# Altium PCB 运动控制板.PcbDoc (part 2 of 3)
Units mil, origin at the board's own origin, x right, y up, seen from the top; angles counter-clockwise.
Board outline 4921.26 x 3543.31 mil, 2 copper layers (Top Layer, Bottom Layer); 234 components, 177 nets, 792 pads, 437 vias.
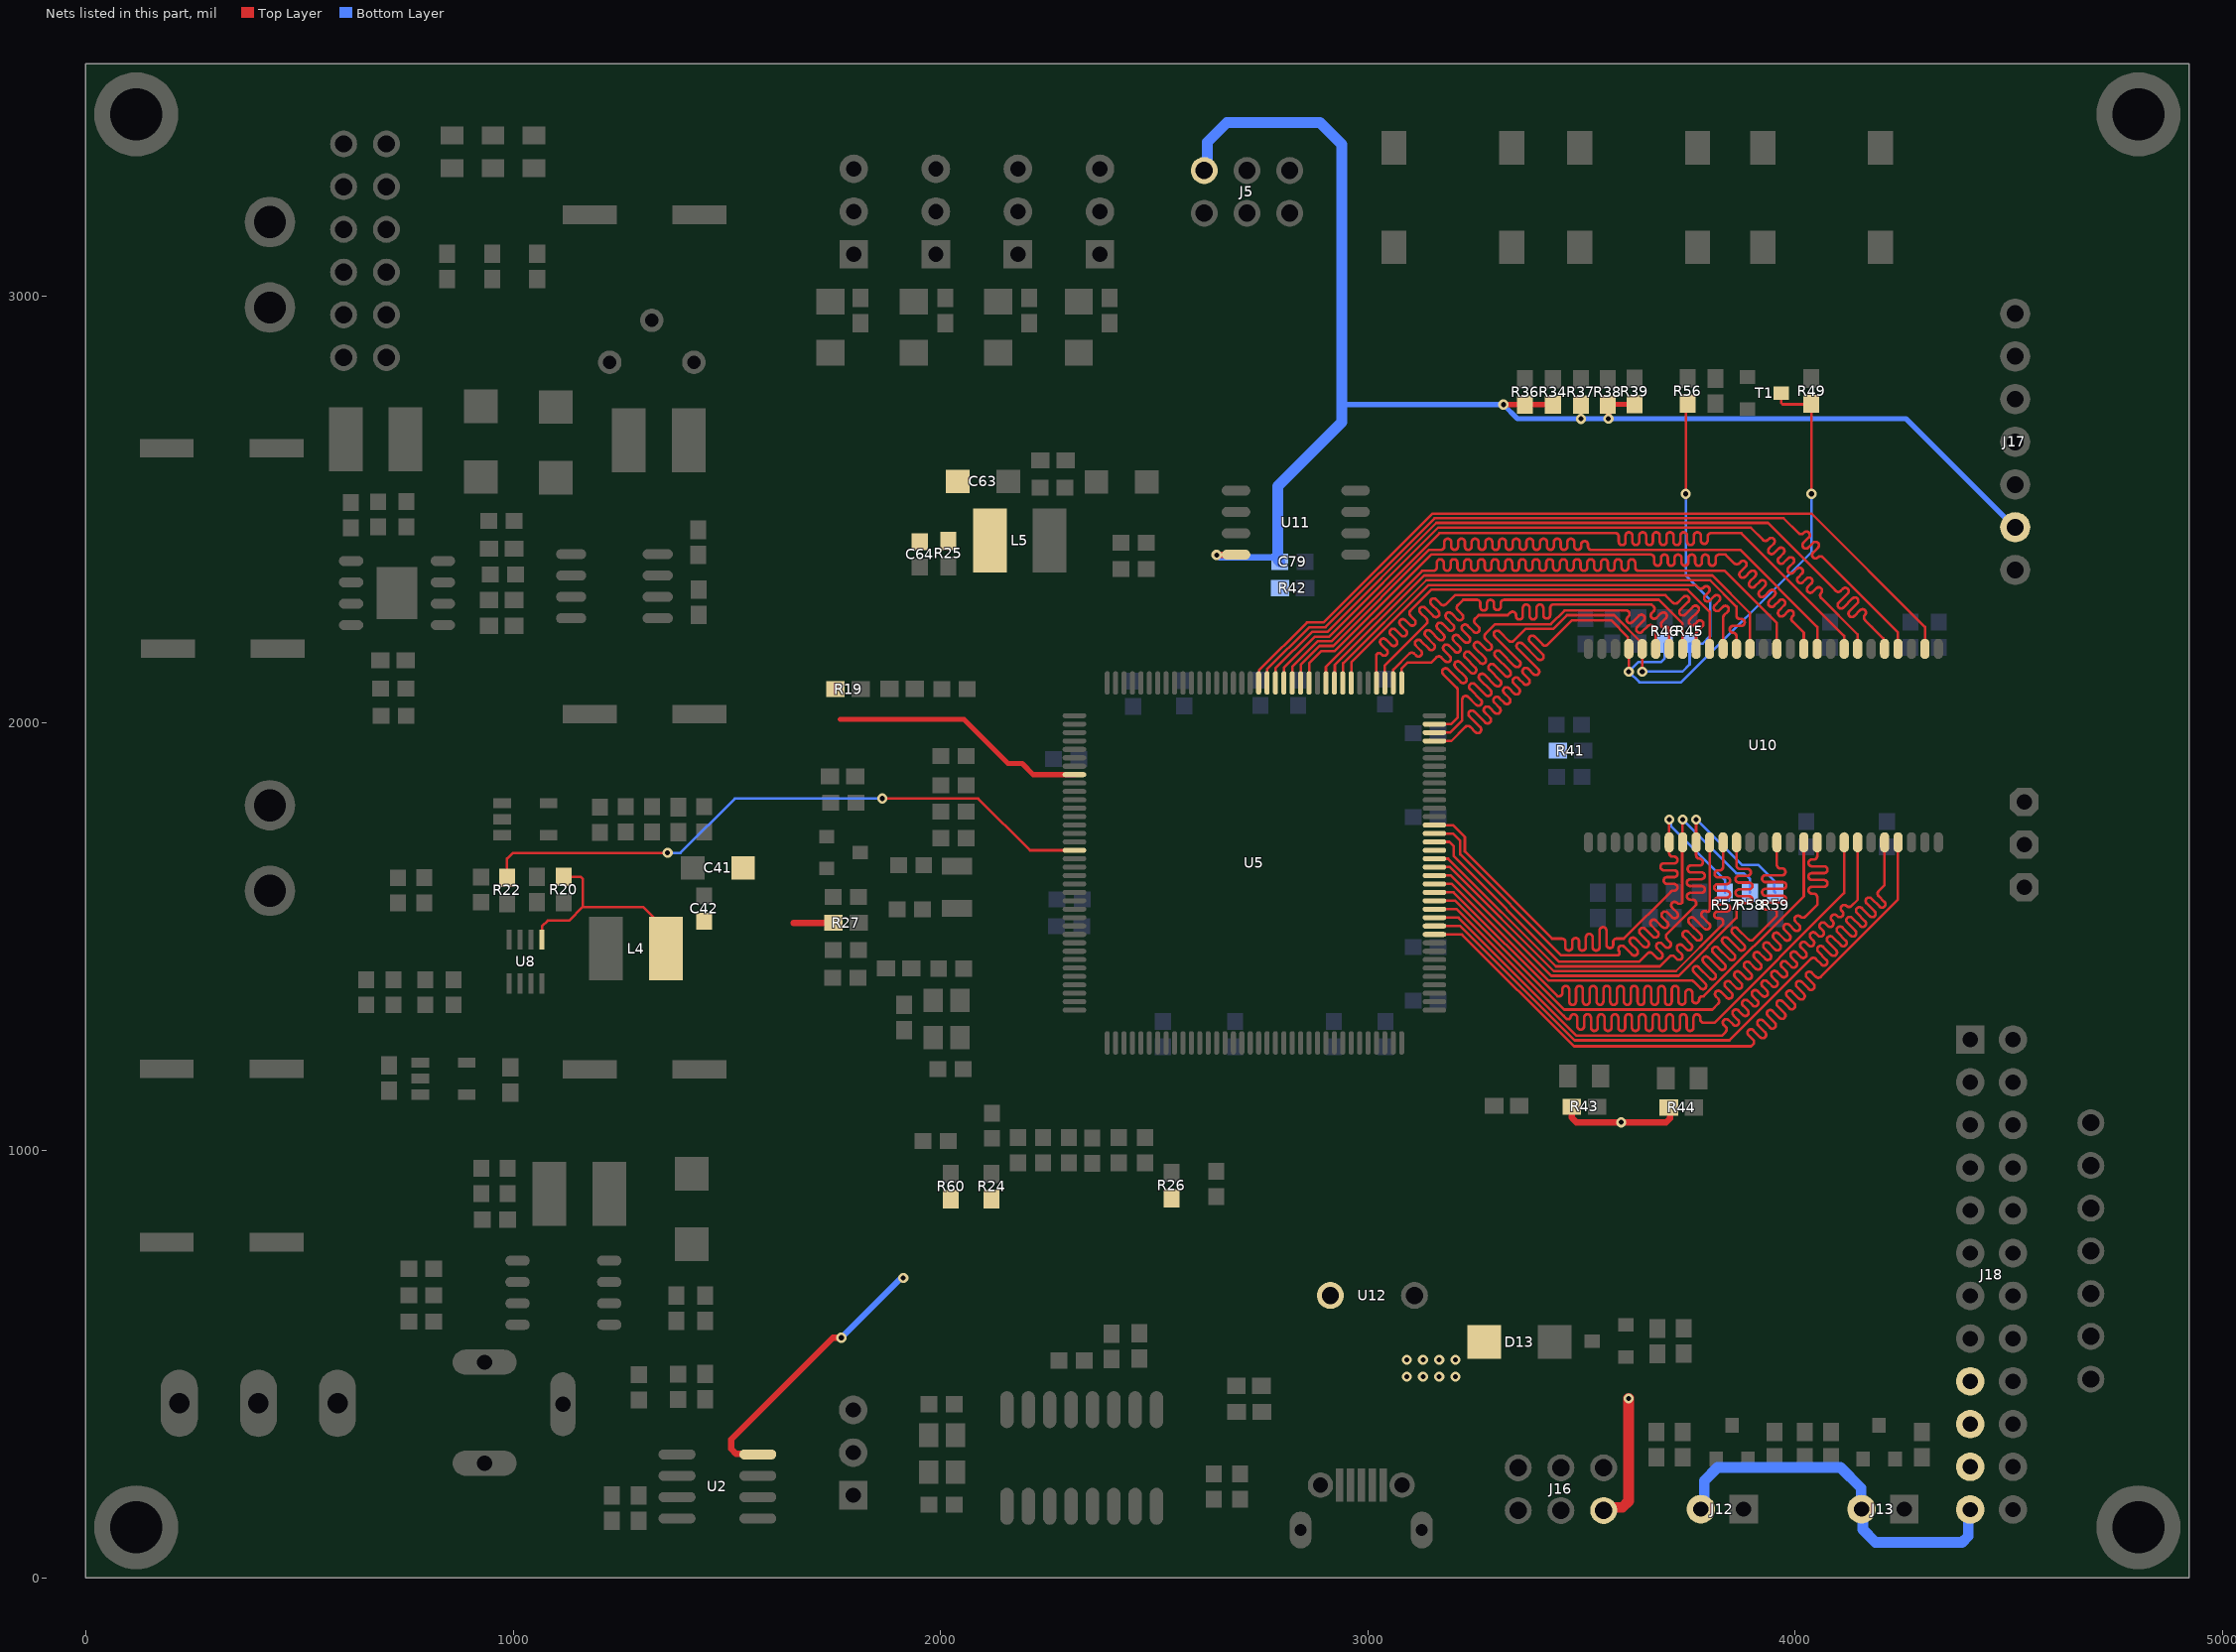
[diagram p2: the nets of this part, all layers, seen from the top]

## Via types
v1: diameter 23.62, hole 11.81, Top Layer to Bottom Layer, tented both sides, 431 vias
v2: diameter 19.68, hole 7.87, Top Layer to Bottom Layer, 6 vias

## Nets (pads, with @x,y where several pads share a name; then routed paths per layer and width w, separated by ;. In a path a pad name is that pad's centre, name@x,y a point inside that pad or via, vN(x,y) a via of type N, cw(c..) or ccw(c..) an arc to the next point about the centre after c; other vN are vias at no path point) (continued)
BT_CFG7: R57.2 U5.131 U10.34 | length 1496.7
  Top Layer w6: U5.131@3155.84,1761.76 3199.24,1761.76 3227,1734 3227,1700 3431,1496 3454.09,1496 cw(c3454.09,1488) 3462.09,1488 3462.09,1476 ccw(c3470.09,1476) 3470.09,1468 ccw(c3470.09,1476) 3478.09,1476 3478.09,1489.41 cw(c3486.09,1489.41) 3486.09,1497.41 cw(c3486.09,1489.41) 3494.09,1489.41 3494.09,1476 ccw(c3502.09,1476) 3502.09,1468 ccw(c3502.09,1476) 3510.09,1476 3510.09,1499 cw(c3518.09,1499) 3518.09,1507 cw(c3518.09,1499) 3526.09,1499 3526.09,1476 ccw(c3534.09,1476) 3534.09,1468 ccw(c3534.09,1476) 3542.09,1476 3542.09,1515 cw(c3550.09,1515) 3550.09,1523 cw(c3550.09,1515) 3558.09,1515 3558.09,1481.79 ccw(c3566.09,1481.79) 3566.09,1473.79 ccw(c3566.09,1481.79) 3574.09,1481.79 3574.09,1488 cw(c3582.09,1488) 3582.09,1496 3599,1496 3708.66,1605.66 ; U10.34@3705.07,1710.08 3705.07,1696 ccw(c3713.07,1696) 3713.07,1688 3716.6,1688 cw(c3716.6,1680) 3724.6,1680 cw(c3716.6,1680) 3716.6,1672 3692.57,1672 ccw(c3692.57,1664) 3684.57,1664 ccw(c3692.57,1664) 3692.57,1656 3716.6,1656 cw(c3716.6,1648) 3724.6,1648 cw(c3716.6,1648) 3716.6,1640 3700.29,1640 ccw(c3700.29,1632) 3692.29,1632 ccw(c3700.29,1632) 3700.29,1624 3716.6,1624 cw(c3716.6,1616) 3724.6,1616 cw(c3716.6,1616) 3716.6,1608 3714.31,1608 ccw(c3714.31,1600) 3708.66,1605.66 ; U10.34@3705.07,1712.08 U10.34@3705.07,1721.47 v1(3705.07,1774.59)
  Bottom Layer w6: v1@3706.07,1774.59 3708.96,1771.7 3708.96,1760.04 3835.5,1633.5 R57.2@3835.5,1603.62
BT_CFG8: R58.2 U5.130 U10.35 | length 1519.5
  Top Layer w6: U5.130@3155.84,1742.08 3198.92,1742.08 3216,1725 3216,1693 3452,1457 3583.14,1457 ccw(c3583.14,1463) 3588.52,1465.65 3588.41,1465.89 cw(c3594.05,1471.56) 3588.39,1477.22 cw(c3594.05,1471.56) 3599.7,1477.22 3618.27,1458.66 ccw(c3623.93,1464.31) 3629.58,1458.66 ccw(c3623.93,1464.31) 3629.58,1469.97 3614.71,1484.84 cw(c3620.37,1490.5) 3614.71,1496.16 cw(c3620.37,1490.5) 3626.03,1496.16 3644.16,1478.03 ccw(c3649.81,1483.68) 3655.47,1478.03 ccw(c3649.81,1483.68) 3655.47,1489.34 3637.34,1507.47 cw(c3643,1513.13) 3637.34,1518.78 cw(c3643,1513.13) 3648.65,1518.78 3666.61,1500.83 ccw(c3672.26,1506.49) 3677.92,1500.83 ccw(c3672.26,1506.49) 3677.92,1512.14 3663.25,1526.81 cw(c3668.91,1532.47) 3663.25,1538.12 cw(c3668.91,1532.47) 3674.57,1538.12 3689.41,1523.28 ccw(c3695.07,1528.94) 3700.72,1523.28 ccw(c3695.07,1528.94) 3700.72,1534.59 3689.5,1545.82 cw(c3695.16,1551.47) 3689.5,1557.13 cw(c3695.16,1551.47) 3700.82,1557.13 3712.04,1545.91 ccw(c3717.69,1551.56) 3723.35,1545.91 ccw(c3717.69,1551.56) 3723.35,1557.22 3712.13,1568.44 cw(c3717.79,1574.1) 3712.13,1579.76 cw(c3717.79,1574.1) 3723.44,1579.76 ccw(c3729.1,1585.41) 3734.75,1579.75 3735.6,1580.6 U10.35@3735.6,1720.51 ; U10.35@3736.56,1721.47 v1(3736.56,1774.59)
  Bottom Layer w6: v1@3737.56,1774.59 3737.56,1773.44 3862,1649 3880,1649 3894.09,1634.91 R58.2@3894.09,1603.62
BT_CFG9: R59.2 U5.129 U10.36 | length 1542.9
  Top Layer w6: U5.129@3155.84,1722.39 3190.61,1722.39 3201,1712 3201,1689 3448,1442 3635,1442 3654.44,1461.44 cw(c3660.09,1455.78) 3665.74,1461.44 3676.16,1451.03 ccw(c3681.81,1456.68) 3687.47,1451.03 ccw(c3681.81,1456.68) 3687.47,1462.34 3676.89,1472.93 cw(c3682.54,1478.58) 3676.89,1484.24 cw(c3682.54,1478.58) 3688.2,1484.24 3695.37,1477.07 ccw(c3701.03,1482.73) 3706.68,1477.07 ccw(c3701.03,1482.73) 3706.68,1488.38 3699.69,1495.38 cw(c3705.35,1501.03) 3699.68,1506.68 3768.06,1575.06 ; 3768.06,1576.1 3768.06,1579.1 ccw(c3760.06,1579.1) 3760.06,1587.1 3754.6,1587.1 cw(c3754.6,1595.1) 3746.6,1595.1 cw(c3754.6,1595.1) 3754.6,1603.1 3780.56,1603.1 ccw(c3780.56,1611.1) 3788.56,1611.1 ccw(c3780.56,1611.1) 3780.56,1619.1 3754.6,1619.1 cw(c3754.6,1627.1) 3746.6,1627.1 cw(c3754.6,1627.1) 3754.6,1635.1 3780.56,1635.1 ccw(c3780.56,1643.1) 3788.56,1643.1 ccw(c3780.56,1643.1) 3780.56,1651.1 3756.24,1651.1 cw(c3756.24,1659.1) 3748.24,1659.1 cw(c3756.24,1659.1) 3756.24,1667.1 3776.06,1667.1 ccw(c3776.06,1675.1) 3784.06,1675.1 ccw(c3776.06,1675.1) 3776.06,1683.1 cw(c3776.06,1691.1) 3768.06,1691.1 U10.36@3768.06,1721.47 v1(3768.06,1774.59)
  Bottom Layer w6: v1@3769.06,1774.59 3875.65,1668 3914,1668 3951.24,1630.76 3951.24,1605.68 R59.2@3953.3,1603.62
BT_MOD0: R45.2 R56.1 U5.142 U10.23 | length 2066.7
  Top Layer w6: U5.142@3155.84,1978.3 3192.3,1978.3 3221,2007 3221,2056.21 cw(c3229,2056.21) 3234.65,2061.88 3253.05,2043.48 ccw(c3258.71,2049.13) 3264.36,2043.48 ccw(c3258.71,2049.13) 3264.36,2054.79 3239.23,2079.92 cw(c3244.89,2085.58) 3239.23,2091.23 cw(c3244.89,2085.58) 3250.55,2091.23 3275.68,2066.1 ccw(c3281.33,2071.76) 3286.99,2066.1 ccw(c3281.33,2071.76) 3286.99,2077.42 3261.86,2102.55 cw(c3267.52,2108.2) 3261.86,2113.86 cw(c3267.52,2108.2) 3273.18,2113.86 3298.31,2088.73 ccw(c3303.96,2094.39) 3309.62,2088.73 ccw(c3303.96,2094.39) 3309.62,2100.05 3284.49,2125.18 cw(c3290.15,2130.83) 3284.49,2136.49 cw(c3290.15,2130.83) 3295.8,2136.49 3320.93,2111.36 ccw(c3326.59,2117.02) 3332.25,2111.36 ccw(c3326.59,2117.02) 3332.25,2122.67 3298.3,2156.62 cw(c3303.95,2162.28) 3298.3,2167.94 cw(c3303.95,2162.28) 3309.61,2167.94 3343.56,2133.99 ccw(c3349.22,2139.64) 3354.87,2133.99 ccw(c3349.22,2139.64) 3354.87,2145.3 3296.86,2203.32 cw(c3302.52,2208.97) 3296.86,2214.63 cw(c3302.52,2208.97) 3308.17,2214.63 3329.74,2193.06 ccw(c3335.4,2198.71) 3341.05,2193.05 3369,2221 3434,2221 3466,2253 3576.1,2253 3642.08,2187.02 U10.23@3642.08,2174.23 v1@3642.08,2121.11 ; v1@3744,2527 3744,2743.98 R56.1@3747.94,2747.92
  Bottom Layer w6: v1@3642.08,2121.11 3736.11,2121.11 3752.91,2137.91 R45.2@3752.91,2186.33 3783.33,2186.33 3801,2204 3801,2289 3744,2346 v1@3744,2527
  other v1: 3642.08,2121 3744,2537
BT_MOD1: R46.2 R49.2 T1.3 U5.141 U10.24 | length 2412.9
  Top Layer w6: U5.141@3155.84,1958.61 3195.06,1958.61 3228.14,1991.7 cw(c3233.8,1986.04) 3239.45,1991.7 3251.77,1979.38 ccw(c3257.43,1985.03) 3263.09,1979.38 ccw(c3257.43,1985.03) 3263.09,1990.69 3237.66,2016.12 cw(c3243.31,2021.78) 3237.66,2027.44 cw(c3243.31,2021.78) 3248.97,2027.44 3274.4,2002 ccw(c3280.06,2007.66) 3285.72,2002 ccw(c3280.06,2007.66) 3285.72,2013.32 3273.4,2025.64 cw(c3279.05,2031.29) 3273.4,2036.95 cw(c3279.05,2031.29) 3284.71,2036.95 3297.03,2024.63 ccw(c3302.69,2030.29) 3308.34,2024.63 ccw(c3302.69,2030.29) 3308.34,2035.94 3296.02,2048.27 cw(c3301.68,2053.92) 3296.02,2059.58 cw(c3301.68,2053.92) 3307.34,2059.58 3319.66,2047.26 ccw(c3325.31,2052.92) 3330.97,2047.26 ccw(c3325.31,2052.92) 3330.97,2058.57 3318.65,2070.89 cw(c3324.31,2076.55) 3318.65,2082.21 cw(c3324.31,2076.55) 3329.96,2082.21 3342.28,2069.89 ccw(c3347.94,2075.54) 3353.6,2069.89 ccw(c3347.94,2075.54) 3353.6,2081.2 3341.28,2093.52 cw(c3346.93,2099.18) 3341.28,2104.83 cw(c3346.93,2099.18) 3352.59,2104.83 3364.91,2092.51 ccw(c3370.57,2098.17) 3376.23,2092.51 ccw(c3370.57,2098.17) 3376.23,2103.83 3363.91,2116.15 cw(c3369.56,2121.8) 3363.91,2127.46 cw(c3369.56,2121.8) 3375.22,2127.46 3387.54,2115.14 ccw(c3393.2,2120.8) 3398.85,2115.14 ccw(c3393.2,2120.8) 3398.85,2126.45 3350.09,2175.22 cw(c3355.75,2180.88) 3350.09,2186.53 cw(c3355.75,2180.88) 3361.4,2186.53 3397.63,2150.31 ccw(c3403.28,2155.97) 3408.94,2150.31 ccw(c3403.28,2155.97) 3408.94,2161.62 3379.17,2191.39 cw(c3384.83,2197.05) 3379.17,2202.71 cw(c3384.83,2197.05) 3390.48,2202.71 3409.16,2184.03 ccw(c3414.82,2189.69) 3420.47,2184.02 3477.44,2241 3569,2241 3608.76,2201.24 3608.76,2176.05 U10.24@3610.58,2174.23 v1@3610.58,2121.11 ; T1.3@3967.13,2772.98 3967.13,2750.02 3970.64,2746.5 4036.04,2746.5 R49.2@4037.46,2747.92 4038,2747.38 v1@4038,2535
  Bottom Layer w6: R46.2@3694.7,2186.33 3694.7,2151.7 3686,2143 3632.47,2143 3610.58,2121.11 3635.69,2096 3733,2096 4038,2401 v1@4038,2535
  other v1: 3610.58,2121 4038,2537
DCDC_3V3: C41.1 C42.1 C79.1 D13.2 J5.3 J12.2 J13.2 J16.3 J17.2 J18.17 J18.19 J18.21 J18.23 L4.2 R19.1 R20.1 R24.1 R26.1 R27.1 R34.1 R36.1 R37.1 R38.1 R39.1 R41.1 R42.1 R43.1 R44.1 R60.1 U2.8 U5.44 U8.5 U11.8 U12.1 | length 6844
  Top Layer w6: U8.5@1067.61,1493.65 1067.61,1524.61 1081,1538 1131,1538 1163,1570 ; R20.1@1118.14,1640.42 1158.58,1640.42 1163,1636 1163,1570 ; L4.2@1334,1540 1304,1570 1163,1570
  Top Layer w12: 1765,2009 2055,2009 2158,1906 2191,1906 2217.13,1879.87 U5.44@2313.33,1879.87 ; v1(3317.08,2745.92) R36.1@3367.7,2745.92 R34.1@3433.1,2745.92 ; v1(3563,2713) 3563,2744.23 R38.1@3561.31,2745.92 3562.31,2746.92 R39.1@3623.91,2746.92
  Top Layer w15: U2.8@1572.47,288.83 1570.82,290.48 1521.52,290.48 1510,302 1510,324 1748,562 v1(1768,562) ; 1656,1533.13 R27.1@1749.42,1533.13 ; v1(2646,2394) 2690.96,2394 U11.8@2691.65,2394.69 ; R43.1@3477.11,1102.79 3477,1102.68 3477,1077 3488,1066 v1(3593,1066) 3698,1066 3707,1075 3707,1097.9 R44.1@3704.11,1100.79
  Top Layer w25: J16.3@3551.68,157.51 3558.95,164.78 3595.36,164.78 3610,179.43 v1(3610,420) ; J12.2@3777.65,159.08 J12.2@3779.21,160.64
  Bottom Layer w12: 2939,2754 2947.08,2745.92 v1(3317.08,2745.92) 3350,2713 v1(3563,2713) 4259,2713 4513.21,2458.79 J17.2@4514.65,2458.78
  Bottom Layer w15: v1(1768,562) 1906.35,700.35 1911.35,700.35 v1(1913,702) ; v1(2646,2394) 2648.33,2394 2654.33,2388 2783.99,2388 C79.1@2794.07,2377.92
  Bottom Layer w25: J5.3@2617.1,3293.87 2612,3298.98 2624.37,3311.35 2624.37,3360.37 2670,3406 2888,3406 2939,3355 2939,2754 2939,2705 2789,2555 2789,2382.99 C79.1@2794.07,2377.92 ; J12.2@3779.21,160.64 3787.24,168.66 3787.24,227.24 3818,258 4106,258 4154.11,209.89 4154.11,161.74 J13.2@4155.21,160.64 ; J13.2@4157.97,157.88 4157.97,113.03 4188,83 4390.36,83 4405,97.64 J18.23@4405,137.55 ; J18.23@4405,155.39 J18.23@4409.45,159.84
  other v1: 3091,471 3129,471 3167,471 3205,471 3091,510 3129,510 3167,510 3205,510 3498.5,2712.5
DCDC_EN: R22.1 U5.53 | length 1480.8
  Top Layer w6: R22.1@985.75,1638.42 985.75,1683.01 999.52,1696.78 v1(1361.45,1696.78) ; v1(1864,1824) 2088,1824 2209.29,1702.71 U5.53@2313.33,1702.71
  Bottom Layer w6: v1(1361.45,1696.78) 1391.78,1696.78 1519,1824 v1(1864,1824)
DCDC_OUT: C63.1 C64.1 L5.2 R25.1
EMC_00: U5.18 U10.2 | length 1901.3
  Top Layer w6: U5.18@2744.43,2094.44 2745.52,2095.53 2745.52,2124.08 2857.44,2236 2896.11,2236 3151.11,2491 4038,2491 4303.49,2225.51 U10.2@4303.49,2174.23
EMC_01: U5.17 U10.4 | length 1901.1
  Top Layer w6: U5.17@2764.11,2094.44 2764.11,2126.11 2863,2225 2900.66,2225 3155.66,2480 3973,2480 4007.9,2445.1 ccw(c4013.56,2450.75) 4019.21,2445.09 ; 4019.22,2445.1 4020.49,2446.38 cw(c4026.15,2440.72) 4031.81,2446.38 cw(c4026.15,2440.72) 4031.81,2435.06 4019.22,2422.47 ccw(c4024.87,2416.81) 4019.22,2411.16 ccw(c4024.87,2416.81) 4030.53,2411.16 4041.84,2422.47 cw(c4047.5,2416.81) 4053.16,2422.47 cw(c4047.5,2416.81) 4053.16,2411.16 4041.84,2399.84 ccw(c4047.5,2394.19) 4041.84,2388.53 ccw(c4047.5,2394.19) 4053.16,2388.53 cw(c4058.81,2382.87) 4064.46,2388.54 4240.5,2212.5 U10.4@4240.5,2174.23
EMC_02: U5.16 U10.5 | length 1902.1
  Top Layer w6: U5.16@2783.8,2094.44 2783.8,2128.35 2869.44,2214 2905.22,2214 3160.22,2469 3936,2469 4093.02,2311.98 4095.14,2309.86 ccw(c4100.8,2315.52) 4106.45,2309.85 4111.36,2314.77 cw(c4117.02,2309.11) 4122.68,2314.77 cw(c4117.02,2309.11) 4122.68,2303.45 4101.55,2282.32 ccw(c4107.2,2276.67) 4101.55,2271.01 ccw(c4107.2,2276.67) 4112.86,2271.01 4133.99,2292.14 cw(c4139.65,2286.48) 4145.3,2292.14 cw(c4139.65,2286.48) 4145.3,2280.83 4126.77,2262.29 ccw(c4132.43,2256.64) 4126.77,2250.98 ccw(c4132.43,2256.64) 4138.08,2250.98 4151.71,2264.6 cw(c4157.37,2258.95) 4163.02,2264.6 cw(c4157.37,2258.95) 4163.02,2253.29 ccw(c4168.68,2247.63) 4163.02,2241.98 4179.52,2225.48 4206.01,2198.99 4206.01,2177.22 U10.5@4209,2174.23
EMC_03: U5.15 U10.7 | length 1901.1
  Top Layer w6: U5.15@2803.48,2094.44 2803.48,2130.04 2876.44,2203 2909.77,2203 3164.77,2458 3896,2458 3924.78,2429.22 ccw(c3930.44,2434.88) 3936.09,2429.21 3938.46,2431.59 cw(c3944.12,2425.93) 3949.77,2431.59 cw(c3944.12,2425.93) 3949.77,2420.28 3938.99,2409.49 ccw(c3944.64,2403.83) 3938.99,2398.17 ccw(c3944.64,2403.83) 3950.3,2398.17 3961.09,2408.96 cw(c3966.75,2403.31) 3972.4,2408.96 cw(c3966.75,2403.31) 3972.4,2397.65 3961.61,2386.86 ccw(c3967.27,2381.2) 3961.61,2375.55 ccw(c3967.27,2381.2) 3972.93,2375.55 3983.72,2386.34 cw(c3989.37,2380.68) 3995.03,2386.34 cw(c3989.37,2380.68) 3995.03,2375.02 3984.24,2364.23 ccw(c3989.9,2358.58) 3984.24,2352.92 ccw(c3989.9,2358.58) 3995.55,2352.92 4004.3,2361.67 cw(c4009.96,2356.01) 4015.62,2361.67 cw(c4009.96,2356.01) 4015.62,2350.35 4006.87,2341.61 ccw(c4012.53,2335.95) 4006.87,2330.29 ccw(c4012.52,2335.95) 4018.18,2330.29 4026.6,2338.71 cw(c4032.26,2333.06) 4037.92,2338.71 cw(c4032.26,2333.06) 4037.92,2327.4 4029.5,2318.98 ccw(c4035.15,2313.32) 4029.5,2307.66 ccw(c4035.15,2313.32) 4040.81,2307.66 4049.23,2316.08 cw(c4054.89,2310.43) 4060.54,2316.08 cw(c4054.89,2310.43) 4060.54,2304.77 ccw(c4066.2,2299.11) 4060.54,2293.46 ; 4060.54,2293.46 4146.01,2207.99 U10.7@4146.01,2174.23
EMC_04: U5.14 U10.8 | length 1901
  Top Layer w6: U5.14@2823.17,2094.44 2823.17,2132.72 2882.44,2192 2914.33,2192 3167.33,2445 3579,2445 cw(c3579,2437) 3587,2437 3587,2425.16 ccw(c3595,2425.16) 3595,2417.16 ccw(c3595,2425.16) 3603,2425.16 3603,2439 cw(c3611,2439) 3611,2447 cw(c3611,2439) 3619,2439 3619,2425.16 ccw(c3627,2425.16) 3627,2417.16 ccw(c3627,2425.16) 3635,2425.16 3635,2439 cw(c3643,2439) 3643,2447 cw(c3643,2439) 3651,2439 3651,2425.16 ccw(c3659,2425.16) 3659,2417.16 ccw(c3659,2425.16) 3667,2425.16 3667,2439 cw(c3675,2439) 3675,2447 cw(c3675,2439) 3683,2439 3683,2425.16 ccw(c3691,2425.16) 3691,2417.16 ccw(c3691,2425.16) 3699,2425.16 3699,2439 cw(c3707,2439) 3707,2447 cw(c3707,2439) 3715,2439 3715,2425.16 ccw(c3723,2425.16) 3723,2417.16 ccw(c3723,2425.16) 3731,2425.16 3731,2439 cw(c3739,2439) 3739,2447 cw(c3739,2439) 3747,2439 3747,2425.16 ccw(c3755,2425.16) 3755,2417.16 ccw(c3755,2425.16) 3763,2425.16 3763,2439 cw(c3771,2439) 3771,2447 cw(c3771,2439) 3779,2439 3779,2427.9 ccw(c3787,2427.9) 3787,2419.9 ccw(c3787,2427.9) 3795,2427.9 3795,2437 cw(c3803,2437) 3803,2445 3874,2445 4114.52,2204.48 U10.8@4114.52,2174.23
EMC_05: U5.13 U10.10 | length 1901
  Top Layer w6: U5.13@2842.85,2094.44 2842.85,2136.85 2887,2181 2918.89,2181 3143.85,2405.96 3171,2405.96 ccw(c3171,2413.96) 3179,2413.96 3179,2424.1 cw(c3187,2424.1) 3187,2432.1 cw(c3187,2424.1) 3195,2424.1 3195,2413.96 ccw(c3203,2413.96) 3203,2405.96 ccw(c3203,2413.96) 3211,2413.96 3211,2424.1 cw(c3219,2424.1) 3219,2432.1 cw(c3219,2424.1) 3227,2424.1 3227,2413.96 ccw(c3235,2413.96) 3235,2405.96 ccw(c3235,2413.96) 3243,2413.96 3243,2424.1 cw(c3251,2424.1) 3251,2432.1 cw(c3251,2424.1) 3259,2424.1 3259,2413.96 ccw(c3267,2413.96) 3267,2405.96 ccw(c3267,2413.96) 3275,2413.96 3275,2424.1 cw(c3283,2424.1) 3283,2432.1 cw(c3283,2424.1) 3291,2424.1 3291,2413.96 ccw(c3299,2413.96) 3299,2405.96 ccw(c3299,2413.96) 3307,2413.96 3307,2424.1 cw(c3315,2424.1) 3315,2432.1 cw(c3315,2424.1) 3323,2424.1 3323,2413.96 ccw(c3331,2413.96) 3331,2405.96 ccw(c3331,2413.96) 3339,2413.96 3339,2424.1 cw(c3347,2424.1) 3347,2432.1 cw(c3347,2424.1) 3355,2424.1 3355,2413.96 ccw(c3363,2413.96) 3363,2405.96 ccw(c3363,2413.96) 3371,2413.96 3371,2424.1 cw(c3379,2424.1) 3379,2432.1 cw(c3379,2424.1) 3387,2424.1 3387,2413.96 ccw(c3395,2413.96) 3395,2405.96 ccw(c3395,2413.96) 3403,2413.96 3403,2424.1 cw(c3411,2424.1) 3411,2432.1 cw(c3411,2424.1) 3419,2424.1 3419,2413.96 ccw(c3427,2413.96) 3427,2405.96 ccw(c3427,2413.96) 3435,2413.96 3435,2424.1 cw(c3443,2424.1) 3443,2432.1 cw(c3443,2424.1) 3451,2424.1 3451,2413.96 ccw(c3459,2413.96) 3459,2405.96 ccw(c3459,2413.96) 3467,2413.96 3467,2424.1 cw(c3475,2424.1) 3475,2432.1 cw(c3475,2424.1) 3483,2424.1 3483,2413.96 ccw(c3491,2413.96) 3491,2405.96 ccw(c3491,2413.96) 3499,2413.96 3499,2418.35 cw(c3507,2418.35) 3507,2426.35 cw(c3507,2418.35) 3515,2418.35 3515,2413.96 ccw(c3523,2413.96) 3523,2405.96 3871.04,2405.96 4051.52,2225.48 U10.10@4051.52,2174.23
EMC_06: U5.12 U10.11 | length 1901.1
  Top Layer w6: U5.12@2862.54,2094.44 2862.54,2140.54 2891,2169 2922.44,2169 3148.41,2394.96 3661.81,2394.96 cw(c3661.81,2386.96) 3669.81,2386.96 3669.81,2376.86 ccw(c3677.81,2376.86) 3677.81,2368.86 ccw(c3677.81,2376.86) 3685.81,2376.86 3685.81,2386.96 cw(c3693.81,2386.96) 3693.81,2394.96 cw(c3693.81,2386.96) 3701.81,2386.96 3701.81,2376.86 ccw(c3709.81,2376.86) 3709.81,2368.86 ccw(c3709.81,2376.86) 3717.81,2376.86 3717.81,2386.96 cw(c3725.81,2386.96) 3725.81,2394.96 cw(c3725.81,2386.96) 3733.81,2386.96 3733.81,2376.86 ccw(c3741.81,2376.86) 3741.81,2368.86 ccw(c3741.81,2376.86) 3749.81,2376.86 3749.81,2386.96 cw(c3757.81,2386.96) 3757.81,2394.96 cw(c3757.81,2386.96) 3765.81,2386.96 3765.81,2376.86 ccw(c3773.81,2376.86) 3773.81,2368.86 ccw(c3773.81,2376.86) 3781.81,2376.86 3781.81,2386.96 cw(c3789.81,2386.96) 3789.81,2394.96 cw(c3789.81,2386.96) 3797.81,2386.96 3797.81,2376.86 ccw(c3805.81,2376.86) 3805.81,2368.86 ccw(c3805.81,2376.86) 3813.81,2376.86 3813.81,2386.96 cw(c3821.81,2386.96) 3821.81,2394.96 3837.04,2394.96 3857.62,2374.38 ccw(c3863.28,2380.04) 3868.93,2374.37 3872.34,2377.79 cw(c3878,2372.13) 3883.66,2377.79 cw(c3878,2372.13) 3883.66,2366.47 3871.35,2354.17 ccw(c3877.01,2348.51) 3871.35,2342.85 ccw(c3877.01,2348.51) 3882.66,2342.85 3894.97,2355.16 cw(c3900.63,2349.5) 3906.28,2355.16 cw(c3900.63,2349.5) 3906.28,2343.85 3893.98,2331.54 ccw(c3899.63,2325.88) 3893.98,2320.22 ccw(c3899.63,2325.88) 3905.29,2320.22 3917.6,2332.53 cw(c3923.26,2326.87) 3928.91,2332.53 cw(c3923.26,2326.87) 3928.91,2321.22 3916.6,2308.91 ccw(c3922.26,2303.25) 3916.6,2297.6 ccw(c3922.26,2303.25) 3927.92,2297.6 3940.23,2309.9 cw(c3945.88,2304.25) 3951.54,2309.9 cw(c3945.88,2304.25) 3951.54,2298.59 3939.23,2286.28 ccw(c3944.89,2280.63) 3939.23,2274.97 ccw(c3944.89,2280.63) 3950.55,2274.97 3962.85,2287.28 cw(c3968.51,2281.62) 3974.17,2287.28 cw(c3968.51,2281.62) 3974.17,2275.96 3961.86,2263.66 ccw(c3967.52,2258) 3961.86,2252.34 ccw(c3967.52,2258) 3973.17,2252.34 3982.96,2262.13 cw(c3988.62,2256.47) 3994.27,2262.13 cw(c3988.62,2256.47) 3994.27,2250.81 3993.39,2249.93 ccw(c3999.04,2244.27) 3993.38,2238.62 4020.03,2211.97 U10.11@4020.03,2174.23
EMC_07: U5.10 U10.13 | length 1899.2
  Top Layer w6: U5.10@2901.91,2094.44 2901.91,2131.91 3126.96,2356.96 3153.46,2356.96 ccw(c3153.46,2364.96) 3161.46,2364.96 3161.46,2375.96 cw(c3169.46,2375.96) 3169.46,2383.96 cw(c3169.46,2375.96) 3177.46,2375.96 3177.46,2364.96 ccw(c3185.46,2364.96) 3185.46,2356.96 ccw(c3185.46,2364.96) 3193.46,2364.96 3193.46,2375.96 cw(c3201.46,2375.96) 3201.46,2383.96 cw(c3201.46,2375.96) 3209.46,2375.96 3209.46,2364.96 ccw(c3217.46,2364.96) 3217.46,2356.96 ccw(c3217.46,2364.96) 3225.46,2364.96 3225.46,2375.96 cw(c3233.46,2375.96) 3233.46,2383.96 cw(c3233.46,2375.96) 3241.46,2375.96 3241.46,2364.96 ccw(c3249.46,2364.96) 3249.46,2356.96 ccw(c3249.46,2364.96) 3257.46,2364.96 3257.46,2375.96 cw(c3265.46,2375.96) 3265.46,2383.96 cw(c3265.46,2375.96) 3273.46,2375.96 3273.46,2364.96 ccw(c3281.46,2364.96) 3281.46,2356.96 ccw(c3281.46,2364.96) 3289.46,2364.96 3289.46,2375.96 cw(c3297.46,2375.96) 3297.46,2383.96 cw(c3297.46,2375.96) 3305.46,2375.96 3305.46,2364.96 ccw(c3313.46,2364.96) 3313.46,2356.96 ccw(c3313.46,2364.96) 3321.46,2364.96 3321.46,2375.96 cw(c3329.46,2375.96) 3329.46,2383.96 cw(c3329.46,2375.96) 3337.46,2375.96 3337.46,2364.96 ccw(c3345.46,2364.96) 3345.46,2356.96 ccw(c3345.46,2364.96) 3353.46,2364.96 3353.46,2375.96 cw(c3361.46,2375.96) 3361.46,2383.96 cw(c3361.46,2375.96) 3369.46,2375.96 3369.46,2364.96 ccw(c3377.46,2364.96) 3377.46,2356.96 ccw(c3377.46,2364.96) 3385.46,2364.96 3385.46,2375.96 cw(c3393.46,2375.96) 3393.46,2383.96 cw(c3393.46,2375.96) 3401.46,2375.96 3401.46,2364.96 ccw(c3409.46,2364.96) 3409.46,2356.96 ccw(c3409.46,2364.96) 3417.46,2364.96 3417.46,2375.96 cw(c3425.46,2375.96) 3425.46,2383.96 cw(c3425.46,2375.96) 3433.46,2375.96 3433.46,2364.96 ccw(c3441.46,2364.96) 3441.46,2356.96 ccw(c3441.46,2364.96) 3449.46,2364.96 3449.46,2375.96 cw(c3457.46,2375.96) 3457.46,2383.96 cw(c3457.46,2375.96) 3465.46,2375.96 3465.46,2364.96 ccw(c3473.46,2364.96) 3473.46,2356.96 ccw(c3473.46,2364.96) 3481.46,2364.96 3481.46,2375.96 cw(c3489.46,2375.96) 3489.46,2383.96 cw(c3489.46,2375.96) 3497.46,2375.96 3497.46,2364.96 ccw(c3505.46,2364.96) 3505.46,2356.96 ccw(c3505.46,2364.96) 3513.46,2364.96 3513.46,2375.96 cw(c3521.46,2375.96) 3521.46,2383.96 cw(c3521.46,2375.96) 3529.46,2375.96 3529.46,2364.96 ccw(c3537.46,2364.96) 3537.46,2356.96 ccw(c3537.46,2364.96) 3545.46,2364.96 3545.46,2375.96 cw(c3553.46,2375.96) 3553.46,2383.96 cw(c3553.46,2375.96) 3561.46,2375.96 3561.46,2364.96 ccw(c3569.46,2364.96) 3569.46,2356.96 ccw(c3569.46,2364.96) 3577.46,2364.96 3577.46,2375.96 cw(c3585.46,2375.96) 3585.46,2383.96 cw(c3585.46,2375.96) 3593.46,2375.96 3593.46,2364.96 ccw(c3601.46,2364.96) 3601.46,2356.96 ccw(c3601.46,2364.96) 3609.46,2364.96 3609.46,2375.93 cw(c3617.46,2375.93) 3617.46,2383.93 cw(c3617.46,2375.93) 3625.46,2375.93 3625.46,2364.96 ccw(c3633.46,2364.96) 3633.46,2356.96 3835.04,2356.96 3957.04,2234.96 U10.13@3957.04,2176.04